# Altium PCB PCB.PcbDoc (continued)
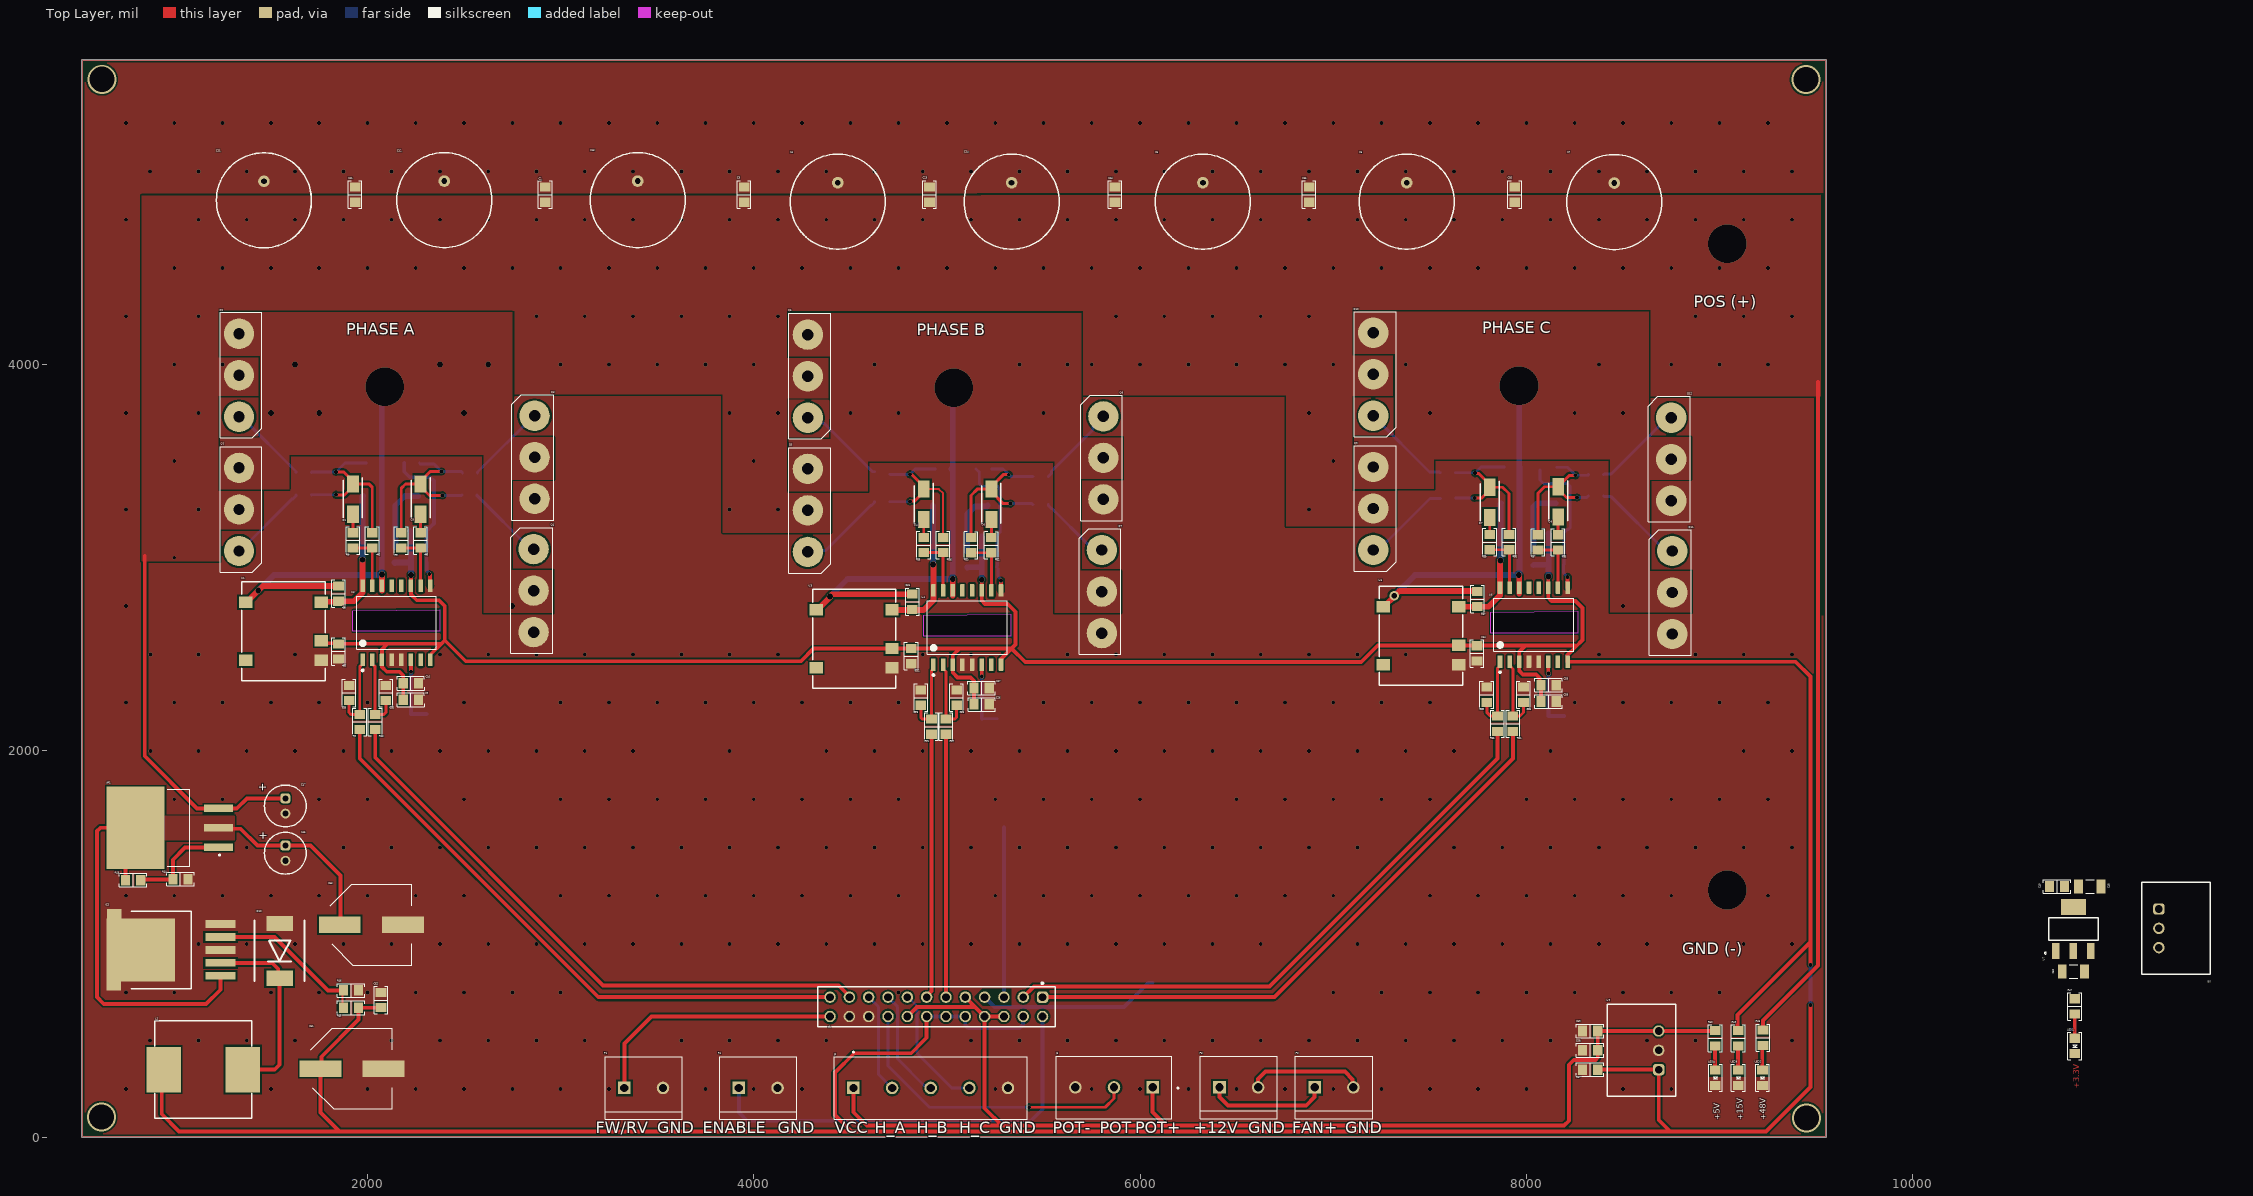
[diagram p0: Top Layer view]
## Part data
C1 C22 C34: library part CAP_0805, "1-3.3 uF polyster film cap"
C2 C3 C9 C17 C18 C21 C23 C24 C26 C30 C31 C35 C36 C38 C42 C43: library part CAP_0805, "MLCC"
C4 C5 C6 C7 C11 C12 C13 C14: library part "220uF 100V Cap"
C8 C16 C25 C29 C37 C41 C49 C52 C54 C55 C56 C57 C58 C59: library part CAP_0805
C10 C19 C27 C32 C39 C44: library part CAP_0805, "tantalum or electrolytic"
C15 C20 C28 C33 C40 C45: library part CAP_0805, "MLCC 10-100 pF"
C46 C47: library part 860020772010, "WCAP-ATG5 Aluminum Electrolytic Capacitor, Radial, THT, D5 x H11mm, 10µF, 63V", Capacitance Tolerance=+/-20%, Leakage Current=6.3µA, manufacturer="Wurth Elektronik", Operating Temperature Max=105°C, Operating Temperature Min=-40°C, Rated Voltage (DC)=63V, Ripple Current=42mA, Capacitance="1µF 200V", Category="Aluminum Electrolytic Capacitors", componentlink1description="Website Link", componentlink1url=https://www.we-online.com/redexpert/article/860020772010?ad, componentlink2description="Datasheet Link", componentlink2url=https://www.we-online.com/redexpert/spec/860020772010?ad, Diameter=5mm, Dissipation Factor=9%, Endurance=2000h, Height=11mm, Manufacturer Part Number=860020772010, Match Code=WCAP-ATG5, Mount="Through Hole", packaging="Ammo Pack", Technical Reference=ATDC110100M063DSPA3B000
C48 C50: library part C1206C105K5RACTU, "1206 Tantalum 10 uF 16V", Package="3216 KEMET", Digi-Key_Part_Number=399-8147-1-ND, Digi-Key_Purchase_URL=https://www.digikey.com/product-detail/en/kemet/C1206C105K5RACTU/399-8147-1-ND/3471870?utm_source=snapeda&utm_medium=aggregator&utm_campaign=symbol, MF=KEMET, MP=C1206C105K5RACTU, SnapEDA_Link=https://www.snapeda.com/parts/C1206C105K5RACTU/KEMET/view-part/357507/?ref=snap
C51 C53: library part CK1H221M-CRG10, "Capacitor Polarised", Manufacturer_Name=SEMTECH, Datasheet Link=https://datasheet.lcsc.com/szlcsc/1810281207_ST-Semtech-CK1H221M-CRG10_C131159.pdf, Height=10.6mm, Manufacturer_Part_Number=CK1H221M-CRG10
D1 D3 D4 D6 D7 D9: "M7-DC - DIODE STAND. Single 1A 1000V SMT DO214AC (SMA)", Package="DO214AC (SMA)", componentlink1description=Datasheet, componentlink1url=https://cdn.ozdisan.com/ETicaret_Dosya/339012_7315810.pdf, componentlink2description=Özdisan, componentlink2url=https://ozdisan.com/guc-yari-iletkenleri/diyotlar-modul-diyotlar-ve-dogrultucular/genel-amacli-diyotlar/M7-DC, PartNumber=M7
D2 D5 D8 D10: library part SS36-214AB-HT, "Schottky Diode", componentlink1description=Özdisan, componentlink1url=https://ozdisan.com/guc-yari-iletkenleri/diyotlar-modul-diyotlar-ve-dogrultucular/schottky-diyotlar/SS36-214AB-HT/475999, componentlink2description=Datasheet, componentlink2url=https://cdn.ozdisan.com/ETicaret_Dosya/475999_7494647.pdf
  D2 D5 D8: PartNumber=SS36-HT
  D10: PartNumber=SK54-HT
IC1: "Integrated Circuit", Arrow Part Number=LM2596S-12, Manufacturer_Name="Texas Instruments", Mouser Part Number=926-LM2596S-12, Arrow Price/Stock=https://www.arrow.com/en/products/lm2596s-12/texas-instruments, Datasheet Link=http://www.ti.com/lit/ds/symlink/lm2596.pdf, Mouser Price/Stock=https://www.mouser.co.uk/ProductDetail/Texas-Instruments/LM2596S-12?qs=X1J7HmVL2ZEK1FPBBSYJCA%3D%3D, PartValue=LM2596HV
J1: "WR-PHD Socket Header, THT, Vertical, pitch 2.54mm, 2 Row, 24P", Contact Resistance=20mOhm, manufacturer="Wurth Elektronik", Operating Temperature Max=125°C, Operating Temperature Min=-40°C, Rated Current=3A, Withstanding Voltage=500V, Working Voltage=250V, Category="Board-to-Board Connectors", componentlink1description="Website Link", componentlink1url=https://www.we-online.com/redexpert/article/61302421821?ad, componentlink2description="Datasheet Link", componentlink2url=https://www.we-online.com/redexpert/spec/61302421821?ad, Gender="Socket Header", Manufacturer Part Number=61302421821, Match Code=WR-PHD, Mount="Through Hole", Number of Pins=24, Number of Rows=2, Orientation=Vertical, packaging=Tray, Pitch=2.54mm
J2: library part 282837-5, "TERMI-BLOK PCB MOUNT 5P", Package=None, Availability=Unavailable, EU_RoHS_Compliance="Compliant with Exemptions", MF="TE Connectivity", MP=282837-5, price=None, SnapEDA_Link=https://www.snapeda.com/parts/282837-5/TE%20Connectivity%20AMP%20Connectors/view-part/532953/?ref=snap, TE_purchase_URL=https://www.te.com/usa-en/product-282837-5.html?te_bu=Cor&te_type=disp&te_campaign=seda_glo_cor-seda-global-disp-prtnr-fy19-seda-model-bom-cta_sma-317_1&elqCampaignId=32493
J3: library part 282837-3, "TERMI-BLOK PCB MOUNT 3P", Package=None, Availability=Unavailable, MP=282837-3, price=None
L1: library part Inductor, "FIXED IND 47UH 2.9A 80 MOHM SMD"
LED1 LED2 LED3 LED4: library part LED, "0805"
P1 P2 P3 P4: library part 282837-2, "Ð Ð°Ð·ÑŠÐµÐ¼Ð½Ñ‹Ðµ ÐºÐ»ÐµÐ¼Ð¼Ð½Ñ‹Ðµ ÐºÐ¾Ð»Ð¾Ð´ÐºÐ¸ Ð Ð¾Ð·ÐµÑ‚ÐºÐ° 2 Ð¿Ð¾Ð»Ð¾Ð¶ÐµÐ½Ð¸Ñ 5,08 Ð¼Ð¼ ÐŸÑ€Ð¸Ð¿Ð¾Ð¹ Ð¿Ñ€ÑÐ¼Ð¾Ð¹ Ñ‡ÐµÑ€ÐµÐ· Ð¾Ñ‚Ð²ÐµÑ€ÑÑ‚Ð¸Ðµ 13,5 Ð / ÐºÐ¾Ð½Ñ‚Ð°ÐºÑ‚", Package=None, Availability="In Stock", Check_prices=https://www.snapeda.com/parts/282837-2/TE+Connectivity+AMP+Connectors/view-part/?ref=eda, MF="TE Connectivity", MP=282837-2, price=None, Purchase-URL=https://pricing.snapeda.com/search/part/282837-2/?ref=eda, SnapEDA_Link=https://www.snapeda.com/parts/282837-2/TE+Connectivity+AMP+Connectors/view-part/?ref=snap
Q1 Q2 Q3 Q4 Q5 Q6 Q7 Q8 Q9 Q10 Q11 Q12: "IRFP4310ZPBF - MOSFET DIS.120A 100V N-CH TO247AC HEXFET THT", Current Rate=120A, Voltage Rate=100V, componentlink1description=Özdisan, componentlink1url=https://ozdisan.com/Product/Detail/480417/IRFP4310ZPBF, componentlink2description=Datasheet, componentlink2url=https://cdn.ozdisan.com/ETicaret_Dosya/480417_1248700.pdf, PartValue=IRFP4310ZPbF
R1 R2 R3 R4 R6 R8 R9 R10 R11 R12 R14 R15 R16 R17 R18 R20 R22 R23 R24 R25 R26 R28 R29 R30 R31 R32 R34 R35 R37 R38 R39 R40 R42 R43 R44 R45 R46 R47 R48 R49 R50: library part RES_0805, "0805", Power="1/8 W"
R5 R19 R33: library part RES_0805, "0805                                                      1-20 ohms", Power="1/8 W"
R7 R13 R21 R27 R36 R41: library part RES_0805, "0805 0-100 OHMS", Power="1/8 W"
R51 R54 R55: library part Shunt, "3920"
U1 U3 U5: library part 176861512, "WPME-FISM Fixed Isolated Module, SMT-8, 5Vin, 15Vout", Case/Size Code=SMT-8, Input Voltage=5V, Input Voltage Max=5.5V, Input Voltage Min=4.5V, Isolation Voltage=2000V, manufacturer="Wurth Elektronik", Operating Temperature Max=100°C, Operating Temperature Min=-40°C, Output Power=1W, Output Voltage=15V, Category="Isolated Converter", componentlink1description="Website Link", componentlink1url=https://www.we-online.com/redexpert/article/176861512?ad, componentlink2description="Datasheet Link", componentlink2url=https://www.we-online.com/redexpert/spec/176861512?ad, Height=6.95mm, Length=12.75mm, Manufacturer Part Number=176861512, Match Code=WPME-FISM, Mount="Surface Mount", packaging="Tape and Reel", Width=10.7mm
U2 U4 U6: library part UCC21520
U7: "Linear Voltage Regulator IC Positive Fixed 1 Output 800mA SOT-223", Package="TO-261-4 STMicroelectronics", Availability="In Stock", Check_prices=https://www.snapeda.com/parts/LD1117S33TR/STMicroelectronics/view-part/?ref=eda, MF=STMicroelectronics, MP=LD1117S33TR, price=None, Purchase-URL=https://pricing.snapeda.com/search/part/LD1117S33TR/?ref=eda, SnapEDA_Link=https://www.snapeda.com/parts/LD1117S33TR/STMicroelectronics/view-part/?ref=snap
U8 U9: library part 173010378, "WPME-FDSM Fixed Step Down Regulator Module, THT, SIP-3, 7-28Vin, 3.3Vout, 1Aout", Case/Size Code=SIP-3, Input Voltage Max=28V, Input Voltage Min=7V, manufacturer="Wurth Elektronik", Operating Temperature Max=85°C, Operating Temperature Min=-40°C, Output Current=1A, Output Voltage=3.3V, Category="Step Down Converter", componentlink1description="Website Link", componentlink1url=https://www.we-online.com/redexpert/article/173010378?ad, componentlink2description="Datasheet Link", componentlink2url=https://www.we-online.com/redexpert/spec/173010378?ad, Height=10.5mm, Length=11.6mm, Manufacturer Part Number=173010378, Match Code=WPME-FDSM, Mount="Through Hole", packaging=Tube, Width=8.5mm
VR1: library part TL783/SMD

## Via types
v1: diameter 20, hole 20, Top Layer to Bottom Layer, tented both sides, 476 vias
v2: diameter 20, hole 20, Top Layer to Bottom Layer, 21 vias
v3: diameter 30, hole 30, Top Layer to Bottom Layer, 11 vias
v4: diameter 30, hole 30, Top Layer to Bottom Layer, tented both sides, 7 vias
v5: diameter 200, hole 200, Top Layer to Bottom Layer, 5 vias
v6: diameter 150, hole 130, Top Layer to Bottom Layer, tented both sides, 4 vias
v7: diameter 50, hole 28, Top Layer to Bottom Layer, 1 vias

## Nets (pads, with @x,y where several pads share a name; then routed paths per layer and width w, separated by ;. In a path a pad name is that pad's centre, name@x,y a point inside that pad or via, vN(x,y) a via of type N, cw(c..) or ccw(c..) an arc to the next point about the centre after c; other vN are vias at no path point)
+3.3V: C48.1 C49.2 C55.2 C56.2 R47.2 U7.2 U7.4 U8.3
+5V: C50.1 C54.2 C58.2 C59.2 J1.6 J1.8 J1.9 J1.16 J2.1 J3.1 R50.2 U7.3 U8.1 U9.3 | length 6533.9
  Top Layer w20: J2.1 4516,129 4585,60 5285,60 ; J1.16 4844.53,674.53 5145.47,674.53 ; J1.9@5095,720 5100,720 5145.47,674.53 ; J1.6 J1.8 ; J3.1 6065,130 6135,60 ; C59.2@8369.37,544.37 8369.37,411.72 8357.65,400 8245,400 8220,375 8220,85 8195,60 6135,60 ; C59.2@8370,550 8635,550 U9.3 ; 8655.12,549.88 8960.54,549.88 R50.2 ; 5145.47,674.53 J1.8 ; J1.8 5195,150 5285,60 ; 5285,60 6135,60
+12V: P2.1 P3.1 | length 627.5
  Top Layer w20: P3.1 6411,209 6455,165 6860,165 6902.24,207.24 6902.24,256.24 P2.1
+45V: C46.1 C53.1 IC1.1 R43.1 VR1.2 VR1.4 | length 3103.5
  Top Layer w20: R43.1@747,1329.65 747,1549 VR1.4 617,1602 600,1585 600,725 635,690 1165,690 1238.72,763.72 1238.72,835.45 IC1.1 ; VR1.2@1229,1597 1343,1597 1430,1510 C46.1 1705,1510 1860,1355 C53.1@1860,1100
+48V: C2.2 C3.2 C21.2 C23.2 C24.2 C35.2 C36.2 C47.1 Q1.2 Q2.2 Q5.2 Q6.2 Q9.2 Q10.2 R48.2 VR1.3 | length 5373.7
  Top Layer w20: 847,3010.52 847,1973 1118,1702 VR1.3 1323,1702 1375.37,1754.37 C47.1 ; R48.2 9225,605 9509,889 9509,3911
  other v1: 1000,3000 1125,3250 3875,3250 4125,3250 6875,3250 1000,3500 4000,3500 7000,3500 1125,3750 3875,3750 4125,3750 6875,3750 1000,4000 1250,4000 3000,4000 3250,4000 3500,4000 3750,4000 4000,4000 5750,4000 6000,4000 6250,4000 6500,4000 6750,4000 7000,4000 8750,4000 9000,4000 9250,4000 1125,4250 2875,4250 3125,4250 3375,4250 3625,4250 3875,4250 4125,4250 5875,4250 6125,4250 6375,4250 6625,4250 6875,4250 8875,4250 9125,4250 9375,4250 1000,4500 1250,4500 1500,4500 1750,4500 2000,4500 2250,4500 2500,4500 2750,4500 3000,4500 3250,4500 3500,4500 3750,4500 4000,4500 4250,4500 4500,4500 4750,4500 5000,4500 5250,4500 5500,4500 5750,4500 6000,4500 6250,4500 6500,4500 6750,4500 7000,4500 7250,4500 7500,4500 7750,4500 8000,4500 8250,4500 8500,4500 8750,4500 9000,4500 9250,4500 1125,4750 1375,4750 1625,4750 1875,4750 2125,4750 2375,4750 2625,4750 2875,4750 3125,4750 3375,4750 3625,4750 3875,4750 4125,4750 4375,4750 4625,4750 4875,4750 5125,4750 5375,4750 5625,4750 5875,4750 6125,4750 6375,4750 6625,4750 6875,4750 7125,4750 7375,4750 7625,4750 7875,4750 8125,4750 8375,4750 8625,4750 8875,4750 9125,4750 9375,4750
  other v5: 9040,4625
\: C1.1 C9.2 C10.2 C17.2 C18.2 C19.2 C22.1 C26.2 C27.2 C30.2 C31.2 C32.2 C34.1 C38.2 C39.2 C42.2 C43.2 C44.2 C51.1 C52.2 C57.2 J1.4 J1.10 J1.12 J1.14 L1.2 R5.1 R19.1 R33.1 R45.1 R49.2 U1.2 U2.3 U2.8 U2.11 U3.2 U4.3 U4.8 U4.11 U5.2 U6.3 U6.8 U6.11 U9.1 | length 26606
  Top Layer w20: L1.2@935,345 935,120 1025,30 1855,30 ; C51.1@1755,360 1761.59,366.59 1761.59,416.59 1954.37,609.37 R45.1 C52.2@2069.37,670 ; C51.1 1756.61,128.39 1855,30 ; U1.2 1773.79,2557.08 1852.92,2557.08 1855,2555 2105,2555 ; C9.2 C10.2 2185,2390 2165,2410 2100,2410 2075,2435 U2.3 2075,2525 2105,2555 ; v3(2225.63,2910.28) 2225.63,2914.37 2225,2915 U2.11 2225,2810 2255,2780 2370,2780 2400,2750 2400,2572.57 ; U2.8 2325,2497.57 2382.43,2555 ; J1.14 4895,515 4815,435 4520,435 4420,335 4420,115 4505,30 ; C26.2 5140.31,2240.94 5140.31,2325.32 C27.2 5140,2363.06 5122.43,2380.63 5055,2380.63 5030,2405.63 U4.3 5030,2495.42 5065.21,2530.63 ; v3(5180,2885.91) U4.11 5180,2778.2 5197.57,2760.63 5315,2760.63 5355,2720.63 5355,2550.63 5335,2530.63 ; U4.8 5280,2475.63 5335,2530.63 ; C38.2 8075.63,2330.63 8068.24,2338.02 8068.24,2378.06 8050.66,2395.63 7980.88,2395.63 7963.31,2413.2 U6.3 7963.31,2513.94 7995,2545.63 ; v3(8114,2903) 8113.31,2902.31 U6.11 8113.31,2793.2 8130.88,2775.63 8255,2775.63 8290,2740.63 8290,2573.2 8255.71,2538.92 ; C57.2 U9.1 8685,90 8745,30 ; 9093.72,633.72 9093.72,565.36 R49.2 ; 9098.32,638.32 9470,1010 ; v2(9470,685) 9470,260 9240,30 8745,30 ; v2(9470,892.43) 9470,1010 ; 1855,30 4505,30 ; 2105,2555 2382.43,2555 ; 2382.43,2555 2400,2572.57 ; 2400,2572.57 2508.57,2464 4244,2464 4310,2530 U3.2 4814.37,2530 4815,2530.63 5065.21,2530.63 ; 4505,30 8745,30 ; 5065.21,2530.63 5335,2530.63 ; 5335,2530.63 5405.63,2460 7145,2460 7230.69,2545.69 7745.2,2545.69 7745.26,2545.63 7995,2545.63 ; 7995,2545.63 8249,2545.63 8255.71,2538.92 ; 8255.71,2538.92 8213.31,2496.51 U6.8 9393.23,2461.77 9470,2385 9470,1010
  Bottom Layer w20: J1.14 J1.12 J1.10@5090,625 ; J1.10 5095,580 5110,565 5375,565 5392.91,582.91 5392.91,622.91 J1.4 ; v2(9470,685) v2(9470,892.43)
  Bottom Layer w30: R5.1@2140,2975.63 R5.1@2143.13,2972.5 ; R5.1 2217.01,2975.63 2220.63,2972.01 2220.63,2970 C17.2 ; C18.2@2223.13,3138.13 C18.2 C19.2 2225.94,3054.69 2225.94,2975.32 C17.2 ; v3(2225.63,2910.28) C17.2 ; R19.1 5105.31,2950.32 5179.69,2950.32 C30.2 ; v3(5180,2885.91) C30.2 ; C32.2 C31.2 C30.2 ; R33.1 8039,2963.63 8113.63,2963.63 C44.2 ; v3(8114,2903) 8115,2904 8115,2953.07 8115.63,2953.7 C44.2 ; C43.2 8115.31,3125.03 8115.31,3045.66 C42.2 C44.2
AH: R1.1 R2.1 U2.15 | length 295.6
  Top Layer w15: R1.1 R2.1 U2.15
AL: R8.1 R9.1 U2.10 | length 295.6
  Top Layer w15: R9.1 R8.1 U2.10
BH: R15.1 R16.1 U4.15 | length 295.6
  Top Layer w15: R15.1 R16.1 U4.15
BL: R22.1 R23.1 U4.10 | length 300
  Top Layer w15: R23.1 R22.1 U4.10
CH: R29.1 R30.1 U6.15 | length 297
  Top Layer w15: R29.1 R30.1 7913.31,3037.95 U6.15
CL: R35.1 R37.1 U6.10 | length 297.9
  Top Layer w15: R37.1 8162.61,3040.63 8163.31,3039.94 U6.10
ENABLE: J1.2 P4.1 | length 2222.2
  Bottom Layer w20: P4.1 3923,127 3965,85 5435,85 5495,145 J1.2
FW/RV: J1.24 P1.1 | length 1353
  Top Layer w20: P1.1 3330,485 3470,625 J1.24
GND: C1.2 C2.1 C3.1 C4.2 C5.2 C6.2 C7.2 C9.1 C10.1 C11.2 C12.2 C13.2 C14.2 C15.1 C16.1 C17.1 C18.1 C19.1 C20.1 C21.1 C22.2 C23.1 C24.1 C26.1 C27.1 C28.1 C29.1 C30.1 C31.1 C32.1 C33.1 C34.2 C35.1 C36.1 C38.1 C39.1 C40.1 C41.1 C42.1 C43.1 C44.1 C45.1 C46.2 C47.2 C48.2 C49.1 C50.2 C51.2 C52.1 C53.2 C54.1 C55.1 C56.1 C57.1 C58.1 C59.1 D10.1 IC1.3 IC1.5 J1.5 J1.7 J1.20 J1.22 J2.5 J3.3 LED1.2 LED2.2 LED3.2 LED4.2 P1.2 P2.2 P3.2 P4.2 Q3.3 Q4.3 Q7.3 Q8.3 Q11.3 Q12.3 R12.1 R14.1 R26.1 R28.1 R40.1 R42.1 R44.2 R46.2 R51.1 R51.2 R54.1 R54.2 R55.1 R55.2 U1.1 U2.4 U2.5 U2.9 U3.1 U4.4 U4.5 U4.9 U5.1 U6.4 U6.5 U6.9 U7.1 U8.2 U9.2 | length 4701.7
  Top Layer w10: v2(5279,2883) v2@5279.5,2882.5 ; U4.9@5279.5,2831.13 U4.9 ; v2(8213,2901) v2@8213.15,2900.85 ; U6.9@8213.15,2845.78 U6.9
  Top Layer w20: v2(2320,2915) 2323.19,2911.81 2323.19,2856.81 U2.9 ; U4.9@5279.5,2831.13 v2@5279.5,2882.5 ; P3.2 6611,301 6650,340 7060,340 7100.38,299.62 7100.38,261.62 P2.2 ; U6.9@8213.15,2845.78 v2@8213.15,2900.85
  Bottom Layer w15: R26.1 5167.36,3443.88 5167.36,3383.64 5181,3370 5260,3370 5275,3355 5275,3139.19 5274.86,3139.05 5274.86,3130.4 5260.8,3116.34 C32.1@5259.74,3116.34 ; C30.1 5265,2944.37 5265,2904.71 5278.04,2891.66 5278.04,2885.31 5278.22,2885.13 v2@5280.13,2885.13 ; C30.1@5259.74,2956.63 5261,2957.89 C31.1@5261,3026 ; C31.1@5259.74,3036.34 C32.1@5259.74,3114.74 ; R40.1@8071,3455 8071,3403 8089,3385 8211,3385 8227,3369 8227,3156.69 8215.71,3145.4 8209.86,3145.4 8193.74,3129.28 C43.1 ; C44.1@8192,2965.63 8192,2922 v2(8213,2901) ; C44.1 C42.1@8194.37,3041.63 ; C42.1 C43.1@8194.37,3124.37
  Bottom Layer w20: R12.1 2190.63,3445.37 2219,3417 2325,3417 2344,3398 2344,3177.86 2338.14,3172 2338.06,3172 2305,3138.94 C18.1 ; C17.1 2304.37,3054.37 C19.1 C18.1@2305,3129 ; C17.1@2306,2975 2306,2935.34 2320,2921.34 v2(2320,2915) ; J1.7 5245.47,674.53 5917.53,674.53 6043,800 6065,800 ; J1.5 5295,1605
  other v1: 750,250 1500,250 2000,250 2250,250 2500,250 2750,250 3000,250 3250,250 3750,250 4000,250 4250,250 5250,250 5750,250 6000,250 6250,250 6500,250 6750,250 7000,250 7250,250 7500,250 7750,250 8000,250 8500,250 8750,250 875,500 1125,500 1375,500 1625,500 2125,500 2375,500 2625,500 2875,500 3125,500 3625,500 3875,500 4125,500 4375,500 5125,500 5375,500 5625,500 5875,500 6125,500 6375,500 6625,500 6875,500 7125,500 7375,500 7625,500 7875,500 8125,500 8625,500 8875,500 9375,500 750,750 1000,750 1500,750 1750,750 2000,750 2250,750 2500,750 2750,750 3000,750 4750,750 7000,750 7250,750 7500,750 7750,750 8000,750 8250,750 8500,750 8750,750 9000,750 1125,1000 1375,1000 1625,1000 1875,1000 2125,1000 2375,1000 2625,1000 2875,1000 3125,1000 3375,1000 3625,1000 3875,1000 4125,1000 4375,1000 4625,1000 4875,1000 5125,1000 5375,1000 5625,1000 5875,1000 6125,1000 6375,1000 6625,1000 7125,1000 7375,1000 7625,1000 7875,1000 8125,1000 8375,1000 8625,1000 8875,1000 9125,1000 9375,1000 750,1250 1000,1250 1250,1250 1500,1250 1750,1250 2000,1250 2250,1250 2500,1250 3000,1250 3250,1250 3500,1250 3750,1250 4000,1250 4250,1250 4500,1250 4750,1250 5250,1250 5500,1250 5750,1250 6000,1250 6250,1250 6500,1250 6750,1250 7000,1250 7500,1250 7750,1250 8000,1250 8250,1250 8500,1250 8750,1250 9250,1250 1375,1500 1875,1500 2125,1500 2375,1500 2625,1500 2875,1500 3125,1500 3375,1500 3625,1500 3875,1500 4125,1500 4375,1500 4625,1500 4875,1500 5125,1500 5375,1500 5625,1500 5875,1500 6125,1500 6375,1500 6625,1500 6875,1500 7125,1500 7625,1500 7875,1500 8125,1500 8375,1500 8625,1500 8875,1500 9125,1500 9375,1500 1000,1750 1250,1750 1750,1750 2000,1750 2500,1750 3000,1750 3250,1750 3500,1750 3750,1750 4000,1750 4250,1750 4500,1750 4750,1750 5250,1750 5500,1750 5750,1750 6000,1750 6500,1750 6750,1750 7000,1750 7250,1750 7500,1750 8000,1750 8250,1750 8500,1750 8750,1750 9000,1750 9250,1750 877,2000 1125,2000 1375,2000 1625,2000 1875,2000 2125,2000 2375,2000 2625,2000 2875,2000 3125,2000 3375,2000 3875,2000 4375,2000 4625,2000 4875,2000 5125,2000 5375,2000 5625,2000 5875,2000 6125,2000 6375,2000 6625,2000 6875,2000 7125,2000 7375,2000 7625,2000 8125,2000 9125,2000 9375,2000 750,2250 1000,2250 1250,2250 1500,2250 1750,2250 2000,2250 2500,2250 3000,2250 3250,2250 3500,2250 3750,2250 4000,2250 4250,2250 4500,2250 4750,2250 5500,2250 5750,2250 6000,2250 6250,2250 6500,2250 6750,2250 7000,2250 7250,2250 7500,2250 8250,2250 8500,2250 8750,2250 9000,2250 9250,2250 877,2500 1125,2500 1625,2500 2375,2500 2625,2500 2875,2500 3125,2500 3375,2500 3625,2500 3875,2500 4125,2500 4875,2500 5125,2500 5625,2500 5875,2500 6125,2500 6375,2500 6625,2500 6875,2500 7125,2500 7375,2500 8375,2500 8875,2500 9125,2500 9375,2500 750,2750 750,3250 750,3750 750,4250 750,4750 875,5000 1125,5000 1375,5000 1625,5000 1875,5000 2125,5000 2375,5000 2625,5000 2875,5000 3125,5000 3375,5000 3625,5000 3875,5000 4125,5000 4375,5000 4625,5000 4875,5000 5125,5000 5375,5000 5625,5000 5875,5000 6125,5000 6375,5000 6625,5000 6875,5000 7125,5000 7375,5000 7625,5000 7875,5000 8125,5000 8375,5000 8625,5000 8875,5000 9125,5000 9375,5000 750,5250 1000,5250 1250,5250 1500,5250 1750,5250 2000,5250 2250,5250 2500,5250 2750,5250 3000,5250 3250,5250 3500,5250 3750,5250 4000,5250 4250,5250 4500,5250 4750,5250 5000,5250 5250,5250 5500,5250 5750,5250 6000,5250 6250,5250 6500,5250 6750,5250 7000,5250 7250,5250 7500,5250 7750,5250 8000,5250 8250,5250 8500,5250 8750,5250 9000,5250 9250,5250
  other v5: 9040,1280
H_A: J1.15 J2.4 | length 659.7
  Bottom Layer w15: J1.15 4807.5,712.5 4808.11,713.11 4811.89,713.11 4845,680 4845,435 5025,255 J2.4
H_B: J1.17 J2.3 | length 573.8
  Bottom Layer w15: J1.17 4745,675 4745,405 4884.48,265.52 4905.48,265.52 J2.3
H_C: J1.19 J2.2 | length 520.1
  Bottom Layer w15: J1.19 4645,675 4645,326 J2.2
IN_AH: C15.2 R7.2 U2.1 | length 409.1
  Top Layer w15: C15.2 1905,2198.16 1913.79,2189.37 R7.2 1960,2435.47 1975,2450.47 U2.1
IN_AL: C20.2 R13.2 U2.2 | length 409.1
  Top Layer w15: U2.2 2025,2450.47 2040,2435.47 R13.2 2086.21,2189.37 2095,2198.16 C20.2
IN_BH: C28.2 R21.2 U4.1 | length 408.7
  Top Layer w15: C28.2 4865,2170.86 4870.86,2165 R21.2 4920,2416.1 4930,2426.1 U4.1
IN_BL: C33.2 R27.2 U4.2 | length 409.1
  Top Layer w15: U4.2 4980,2426.1 4995,2411.1 R27.2 5041.21,2165 5050,2173.79 C33.2
IN_CH: C40.2 R36.2 U6.1 | length 401.9
  Top Layer w15: C40.2 7795,2199.9 7813.3,2181.6 7848.4,2181.6 R36.2 7850,2427.8 7863.31,2441.1 U6.1
IN_CL: C45.2 R41.2 U6.2 | length 403.5
  Top Layer w15: U6.2 7913.31,2441.1 7930,2424.41 R41.2 7931.21,2181.21 7966.7,2181.21 7985,2199.51 C45.2
NetC8_2: C8.2 D2.2 U1.4 U2.16 | length 735.9
  Top Layer w30: U1.4 1763.37,2772.5 1847.22,2772.5 C8.2 ; C8.2@1850,2775 1930,2775 1975,2820 U2.16 v3(1975,2990)
  Bottom Layer w30: v3(1975,2990) 1975,3316.73 D2.2
NetC16_2: C16.2 R14.2 U2.6 | length 370.3
  Top Layer w15: U2.6 U2.6@2225,2480
  Top Layer w20: v2(2225,2410) U2.6
  Bottom Layer w20: v2(2225,2410) C16.2 2225.32,2190.32 2304.69,2190.32 R14.2
NetC17_1: 
NetC25_2: C25.2 D5.2 U3.4 U4.16 | length 736.5
  Top Layer w30: U3.4@4705.31,2729.69 4819.69,2729.69 4820,2729.37 4879.37,2729.37 4930,2780 U4.16 v3@4930,2965.63
  Bottom Layer w30: D5.2 4928.27,3268.27 v3(4928.27,2965.63)
NetC29_2: C29.2 R28.2 U4.6 | length 362.7
  Top Layer w20: v2(5180,2385.63) U4.6
  Bottom Layer w15: C29.2 5183.94,2165.63 C29.2@5184.57,2166.26 ; C29.2@5180,2170.83 C29.2@5184.57,2166.26 ; R28.2 C29.2@5184.57,2166.26
  Bottom Layer w20: C29.2@5180,2170.83 v2(5180,2385.63)
NetC37_2: C37.2 D8.2 U5.4 U6.16 | length 715.9
  Top Layer w30: U5.4 7650.19,2746.82 7745.81,2746.82 C37.2 7803.63,2746.63 7863.31,2806.31 U6.16 7863.31,2983.94 v3@7865,2985.63
  Bottom Layer w30: v3(7865.27,2985.63) 7865.27,3278.73 D8.2
NetC41_2: C41.2 R42.2 U6.6 | length 361.8
  Top Layer w20: U6.6 8113.31,2402.32 v2(8115,2400.63)
  Bottom Layer w20: v2(8115,2400.63) C41.2 R42.2
NetC42_1: 
NetD1_1: D1.1 R2.2 R3.1 R4.1 R6.2 | length 1016.1
  Top Layer w15: v2(1837,3444) 1837.26,3444.26 1877,3444.26 1925,3396.26 D1.1 ; v2(1838,3326) 1839.35,3326 1840.88,3324.48 1880.78,3324.48 1926.71,3370.41 1926.71,3380.78 2009.22,3380.78 2025,3365 R2.2
  Bottom Layer w15: R4.1 1711.37,3444 v2(1837,3444) 1883,3490 R6.2 ; R3.1 1710.4,3326 v2(1838,3326)
NetD1_2: D1.2 R1.2 | length 95.6
  Top Layer w15: R1.2 D1.2
NetD2_1: D2.1 R5.2 | length 353.1
  Bottom Layer w30: R5.2 2145,3270 2194.94,3319.94 2261.67,3319.94 D2.1
NetD3_1: D3.1 R9.2 R10.1 R11.1 R12.2 | length 971.7
  Top Layer w15: R9.2 2175,3360 2197.48,3382.48 D3.1 ; v2(2383,3446) 2324.74,3446 2275,3396.26 D3.1 ; v2(2388,3323) 2320.7,3323 2275,3368.7 D3.1
  Bottom Layer w15: R12.2 2273.08,3486.29 2342.71,3486.29 v2(2383,3446) ; v2@2384.35,3446 2485.32,3446 R10.1 ; v2(2388,3323) 2487.52,3323 R11.1
NetD3_2: D3.2 R8.2 | length 95.6
  Top Layer w15: R8.2 D3.2
NetD4_1: D4.1 R16.2 R17.1 R18.1 R20.2 | length 908.4
  Top Layer w10: D4.1@4880,3341.22 D4.1 4958,3355 4980,3333 R16.2
  Top Layer w15: v2(4808,3432) 4808.96,3431.04 4817.74,3431.04 4880,3368.78 D4.1 ; v2(4809,3292) 4809.96,3292.96 4831.74,3292.96 D4.1@4880,3341.22
  Bottom Layer w15: R17.1 4805.65,3290 4807.65,3292 v2(4809,3292) ; R18.1 4706.37,3432 v2(4808,3432) 4836,3460 R20.2@4940.63,3460
NetD4_2: D4.2 R15.2 | length 92.5
  Top Layer w15: R15.2 D4.2
NetD5_1: D5.1 R19.2 | length 321.6
  Bottom Layer w30: R19.2 5105,3225 5144.94,3264.94 5206.67,3264.94 D5.1@5211.73,3270
NetD6_1: D6.1 R23.2 R24.1 R25.1 R26.2 | length 955.2
  Top Layer w15: R23.2 5125,3323 5157,3355 D6.1 ; v2(5320,3430) 5291.22,3430 5230,3368.78 D6.1 ; v2(5330,3280) 5291.22,3280 5230,3341.22 D6.1
  Bottom Layer w15: R26.2 5290,3460 v2(5320,3430) 5321.35,3430 5331.35,3420 R25.1 ; v2(5330,3280) 5440.32,3280 R24.1
NetD6_2: D6.2 R22.2 | length 93.1
  Top Layer w15: R22.2 D6.2
NetD7_1: D7.1 R30.2 R31.1 R32.1 R34.2 | length 913.8
  Top Layer w15: v2(7732,3310) 7768.78,3310 7810,3351.22 D7.1 ; v2(7734,3438) 7734.96,3437.04 7751.74,3437.04 7810,3378.78 D7.1 ; R30.2 7910,3332 7877,3365 D7.1
  Bottom Layer w15: R32.1 7730.65,3440 7732.65,3438 v2(7734,3438) 7766,3470 R34.2 ; R31.1 v2(7732,3310)
NetD7_2: D7.2 R29.2 | length 87.5
  Top Layer w15: R29.2 D7.2
NetD8_1: D8.1 R33.2 | length 346.1
  Bottom Layer w30: R33.2 8037,3264.43 8054.57,3282 D8.1@8151.73,3282
NetD9_1: D9.1 R37.2 R38.1 R39.1 R40.2 | length 817.7
  Top Layer w15: R37.2 8060,3334 8093.74,3367.74 D9.1 ; v2(8254,3427) 8253.47,3426.47 8221.5,3426.47 8190.51,3395.48 D9.1 ; v2(8261,3312) 8260.91,3311.91 8207.05,3311.91 8165,3353.96 D9.1
  Bottom Layer w15: R40.2@8159.37,3468.59 8212.41,3468.59 v2(8254,3427) 8317.6,3427 R39.1 ; v2(8261,3312) 8312.6,3312 R38.1
NetD9_2: D9.2 R35.2 | length 91.3
  Top Layer w15: R35.2 8164.5,3119.87 8164.5,3209.76 D9.2
NetD10_2: D10.2 IC1.2 L1.1 | length 1012.2
  Top Layer w20: IC1.2 1507.33,902.67 1538.22,871.78 1538.22,830.05 D10.2 1545,375 1520,350 L1.1
NetIC1_4: IC1.4 R45.2 R46.1 | length 842.9
  Top Layer w10: R45.2@1870,665 1870,754.37 R46.1
  Top Layer w20: IC1.4 1518.47,1036.53 1795,760 R46.1@1870,760
NetJ1_1: J1.1 R41.1 | length 3087.8
  Top Layer w20: J1.1 6695,725 7930,1960 R41.1
NetJ1_3: J1.3 R36.1 | length 3107.8
  Top Layer w20: J1.3 5450,780 6670,780 7850,1960 R36.1
NetJ1_11: J1.11 R27.1 | length 1363.3
  Top Layer w20: R27.1 4995,730 J1.11@5000,725
NetJ1_13: J1.13 R21.1 | length 1365.4
  Top Layer w20: J1.13 4895,731.24 4920,756.24 R21.1@4920,2080
NetJ1_21: J1.21 R13.1 | length 3107.8
  Top Layer w20: R13.1@2040,2106.26 2040,1965 3220,785 4440,785 J1.21@4495,730
NetJ1_23: J1.23 R7.1 | length 3102.2
  Top Layer w20: R7.1 1960,1960 3195,725 J1.23@4400,725
NetLED1_1: LED1.1 R47.1 | length 120.7
  Top Layer w10: LED1.1@10835,519 LED1.1@10839,523
  Top Layer w20: LED1.1@10839,523 R47.1
NetLED2_1: LED2.1 R48.1 | length 127.7
  Top Layer w20: LED2.1@9220.72,348.62 9220.72,462.01 R48.1
NetLED3_1: LED3.1 R49.1 | length 123.4
  Top Layer w20: LED3.1@9095.91,348.34 R49.1@9095.91,471.72
NetLED4_1: LED4.1 R50.1 | length 123.1
  Top Layer w20: LED4.1@8976.82,348.65 R50.1@8976.82,471.72
NetQ1_1: Q1.1 R3.2 | length 418.1
  Bottom Layer w15: Q1.1 1340.69,3035.04 1610.6,3304.94 1614.53,3304.94 1630.66,3321.06 R3.2
NetQ2_1: Q2.1 R4.2 | length 417.2
  Bottom Layer w15: Q2.1 1346.57,3730 1630.63,3445.94 R4.2
NetQ3_1: Q3.1 R10.2 | length 419.3
  Bottom Layer w15: R10.2 2570.34,3443.65 2861.65,3734.96 Q3.1
NetQ4_1: Q4.1 R11.2 | length 410.2
  Bottom Layer w15: R11.2 2567.97,3320.78 2843.79,3044.96 Q4.1
NetQ5_1: Q5.1 R17.2 | length 455.6
  Bottom Layer w15: Q5.1 4286.82,3036.82 4372.45,3036.82 4605.57,3269.94 4609.51,3269.94 4625.63,3286.06 R17.2
NetQ6_1: Q6.1 R18.2 | length 461.6
  Bottom Layer w15: Q6.1 4307.26,3697.74 4361.83,3697.74 4614.57,3445 R18.2@4625.66,3445
NetQ7_1: Q7.1 R24.2 | length 377.2
  Bottom Layer w15: R24.2 5524.34,3270.78 5540.47,3254.66 5544.4,3254.66 5731.88,3067.18 5774.74,3067.18 Q7.1
NetQ8_1: Q8.1 R25.2 | length 360.5
  Bottom Layer w15: R25.2 5540.49,3436.12 5540.49,3446.35 5755,3660.85 Q8.1@5755,3684.96
NetQ9_1: Q9.1 R31.2 | length 458.9
  Bottom Layer w15: Q9.1 7235.04,3040.04 7501.09,3306.09 R31.2@7555.66,3306.09
NetQ10_1: Q10.1 R32.2 | length 468.8
  Bottom Layer w15: Q10.1 7498.06,3443.94 7549.72,3443.94 R32.2
NetQ11_1: Q11.1 R38.2 | length 473.7
  Bottom Layer w15: R38.2 8403.28,3316.06 8438.94,3316.06 8720.04,3034.96 Q11.1
NetQ12_1: Q12.1 R39.2 | length 472.8
  Bottom Layer w15: R39.2 8403.28,3433.94 8438.94,3433.94 8729.96,3724.96 Q12.1
NetR43_2: R43.2 R44.1 VR1.1 | length 533.1
  Top Layer w20: R43.2@825,1334 992.63,1334 992.63,1436.63 1055.46,1499.46 1225.8,1499.46 VR1.1
POT: J1.18 J3.2 | length 1590.7
  Top Layer w15: v2(5425,155) 5820,155 5865,200 J3.2
  Bottom Layer w15: J1.18 4695,370 4910,155 v2(5425,155)
Sense_P: 
VSS_A: C8.1 Q1.3 Q2.3 Q3.2 Q4.2 R6.1 U1.5 U2.14 | length 2246.4
  Top Layer w30: U1.5 1374.06,2770 1434.06,2830 v3(1435,2830) 1458.74,2853.74 C8.1 ; U2.14@2075,2830 v3(2075,2913)
  Bottom Layer w30: v3(1435,2830) 1515,2910 2072,2910 v3(2075,2913) 2074.37,2913.63 R6.1@2074.37,3485 ; R6.1 2074.37,3869.37 v5(2090,3885)
  other v4: 2750,2750 1500,3750 1750,3750 2500,3750 1625,4000 2375,4000 2625,4000
VSS_B: C25.1 Q5.3 Q6.3 Q7.2 Q8.2 R20.1 U3.5 U4.14 | length 2287
  Top Layer w30: U3.5 4329.06,2730 4395,2795.94 v3(4395,2800) 4406.37,2811.37 C25.1 ; U4.14@5030,2805 U4.14 v3(5030,2890)
  Bottom Layer w30: v3(4395,2800) 4485,2890 v3(5030,2890) 5030,3454.37 R20.1 5029.69,3465.31 5029.69,3874.68 v5(5035,3880)
  other v1: 4500,3750 4750,3750 5500,3750 4625,4000 5375,4000 5625,4000
VSS_C: C37.1 Q9.3 Q10.3 Q11.2 Q12.2 R34.1 U5.5 U6.14 | length 2291.4
  Top Layer w30: U5.5 7263.19,2747 7316,2799.81 v7(7316,2803) 7318.42,2803 7343.57,2828.16 7743.21,2828.16 C37.1 ; v3(7960,2910) 7963.31,2906.69 U6.14@7963.31,2815.47
  Bottom Layer w30: v7(7316,2803) 7423,2910 v3(7960,2910) 7964.37,2914.37 R34.1 7963.19,3471.19 7963.19,3888.82 v5(7962,3890)
  other v1: 8500,2750 7500,3750 8250,3750 8500,3750 7375,4000 8375,4000
pads on no net: C4.1 C5.1 C6.1 C7.1 C11.1 C12.1 C13.1 C14.1 U1.8 U2.7 U2.12 U2.13 U3.8 U4.7 U4.12 U4.13 U5.8 U6.7 U6.12 U6.13
copper on no net:
  other v6: 9450,100 623,105 9447,5475 625,5477

## Polygon pours and split planes (outlines as drawn)
VSS_B on Top Solder "NONET_L01_P000" (solid): 4783.19,4140 5295,4140 5295,3628.19 4783.19,3628.19
VSS_C on Top Solder "NONET_L01_P000" (solid): 7710.19,4150 8222,4150 8222,3638.19 7710.19,3638.19
no net on Top Solder "NONET_L01_P000" (solid): 8792.09,4878 9303.91,4878 9303.91,4366.19 8792.09,4366.19
VSS_A on Top Solder "NONET_L01_P000" (solid, pour order 0): 1838.19,4145 2350,4145 2350,3633.19 1838.19,3633.19
GND on Top Solder "NONET_L01_P000" (solid): 8792.09,1527 9303.91,1527 9303.91,1015.19 8792.09,1015.19
GND on Top Layer "GND_L01_P063" (solid, pour order 63): 829,4220 829,2676 9560,2676 9531,2705 9531,4344
GND on Top Layer "GND_L01_P044" (solid, pour order 44): 9552,2700 9552,0 8020,0 2740,0 520,0 520,2700
+45V on Top Layer "+45V_L01_P020" (solid, pour order 20): 1312,1663 1312,1538 950,1538 950,1663
GND on Top Layer "GND_L01_P045" (solid, pour order 45): 829,4920 829,2640 520,2640 520,4920
VSS_C on Top Layer "VSS_C_L01_P061" (solid, pour order 61): 7109,4056 7320,4056 7320,3625 7109,3625 7109,3356 7521,3356 7521,3509 8433,3509 8433,2718 8854,2718 8854,2930 8638,2930 8638,3405 8850,3405 8850,3625 8633,3625 8633,4275 7109,4275
VSS_B on Top Layer "VSS_B_L01_P060" (solid, pour order 60): 4182,4265 5696,4265 5696,3622 5909,3622 5909,3409 5690,3409 5690,2932 5899,2932 5899,2714 5558,2714 5558,3499 4591,3499 4591,3343 4182,3343 4182,3614 4397.68,3614 4402.34,4044 4182,4044
VSS_A on Top Layer "VSS_A_L01_P059" (solid, pour order 59): 1237,4270 2750,4270 2750,3624 2964,3624 2964,3405 2745,3405 2745,2936 2960,2936 2960,2715 2602,2715 2602,3532 1594,3532 1594,3354 1237,3354 1237,3620 1446,3620 1446,4045 1237,4045
+48V on Top Layer "+48V_L01_P058" (solid, pour order 58): 6757.2,4045 7309.2,4045 7309.2,3838 7099,3838 7099,3345 7324.2,3345 7324.2,3163 6757.2,3163
+48V on Top Layer "+48V_L01_P057" (solid, pour order 57): 3840,4034 4385,4034 4385,3827 4172,3827 4172,3333 4398,3333 4398,3130 3840,3130
+48V on Top Layer "+48V_L01_P056" (solid, pour order 56): 890,4035 1440,4035 1440,3838 1227,3838 1227,3344 1455,3344 1455,3148 890,3148
+48V on Top Layer "3" (solid, pour order 55): 790,4880 790,2981 1235,2981 1235,3155 902,3155 902,4020 1227,4020 1227,4280 2762,4280 2762,3846 3871,3846 3871,4020 4171,4020 4171,4275 5706,4275 5706,3842 6762,3842 6762,4020 7099,4020 7099,4285 8643,4285 8643,3835 9525,3835 9525,4880
GND on Top Layer "GND_L01_P025" (solid, pour order 25): 521,4883.97 521,5578 9552,5578 9552,4890.02
GND on Bottom Layer "GND_L02_P064" (solid, remove dead copper, pour order 64): 9545,5573 9545,5 9550,0 498,0 498,5559 507,5568
GND on Bottom Layer "GND_L02_P038" (solid, pour order 38): 1454,2883 1454,3533 2749,3533 2749,3407 2963,3407 2964,3408 2965,3407 2965,3197 2752,3197 2750,3199 2748,3197 2749,2883
GND on Bottom Layer "NONET_L02_P062" (solid, remove dead copper, shelved, pour order 62): 482,5675 10428,5675 9849,5096 9849,0 302,0
VSS_A on Bottom Layer "VSS_A_L02_P003" (solid, pour order 3): 1237,4270 2750,4270 2750,3624 2964,3624 2964,3405 2745,3405 2745,2936 2960,2936 2960,2715 2602,2715 2602,3532 1594,3532 1594,3354 1237,3354 1237,3620 1446,3620 1446,4045 1237,4045
VSS_C on Bottom Layer "VSS_C_L02_P012" (solid, pour order 12): 7109,4056 7320,4056 7320,3625 7109,3625 7109,3356 7521,3356 7521,3509 8433,3509 8433,2718 8854,2718 8854,2930 8638,2930 8638,3405 8850,3405 8850,3625 8633,3625 8633,4275 7109,4275
VSS_B on Bottom Layer "VSS_B_L02_P008" (solid, pour order 8): 4182,4265 5696,4265 5696,3622 5909,3622 5909,3409 5690,3409 5690,2932 5899,2932 5899,2714 5558,2714 5558,3499 4591,3499 4591,3343 4182,3343 4182,3614 4397.68,3614 4402.34,4044 4182,4044
+48V on Bottom Layer "+48V_L02_P013" (solid, pour order 13): 890,4035 1440,4035 1440,3838 1227,3838 1227,3344 1436,3344 1436,3148 890,3148
+48V on Bottom Layer "+48V_L02_P015" (solid, pour order 15): 6757.2,4045 7309.2,4045 7309.2,3838 7099,3838 7099,3345 7324.2,3345 7324.2,3163 6757.2,3163
+48V on Bottom Layer "+48V_L02_P014" (solid, pour order 14): 3840,4034 4385,4034 4385,3827 4172,3827 4172,3333 4398,3333 4398,3130 3840,3130
+48V on Bottom Layer "3" (solid, pour order 16): 790,4880 790,2981 1235,2981 1235,3155 902,3155 902,4020 1227,4020 1227,4280 2762,4280 2762,3846 3871,3846 3871,4020 4171,4020 4171,4275 5706,4275 5706,3842 6762,3842 6762,4020 7099,4020 7099,4285 8643,4285 8643,3835 9536,3835 9536,4880
GND on Bottom Layer "GND_L02_P047" (solid, pour order 47): 5314,1602.09 5314,778 7345,778 7345,1602.09
GND on Bottom Layer "GND_L02_P037" (solid, pour order 37): 7326,2859.35 7326,3522 8629,3522 8629,3396 8843,3396 8844,3397 8845,3396 8845,3186 8639,3186 8639,2876.61
GND on Bottom Layer "GND_L02_P036" (solid, pour order 36): 4395,2882 4395,3532 5690,3532 5690,3406 5904,3406 5905,3407 5906,3406 5906,3196 5693,3196 5691,3198 5689,3196 5689,2899.01
GND on Bottom Layer "GND_L02_P024" (solid, pour order 24): 6455.52,2718 8600,2718 8600,1639 6455.52,1639
GND on Bottom Layer "GND_L02_P019" (solid, pour order 19): 8631,3406 9552,3406 9552,1639 8639,1639 8639,2718 8854,2718 8854,3184 8631,3184
GND on Bottom Layer "GND_L02_P018" (solid, pour order 18): 5690,3409 6740,3409 6740,1639 3833,1639 3833,2714 5901,2714 5901,3192 5690,3192
GND on Bottom Layer "GND_L02_P017" (solid, pour order 17): 2747,3405 3793,3405 3793,1630 2743,1630 2743,2715 2960,2715 2960,3194 2747,3194

## Other copper
Top Layer:
  pour cut-out: 5144,721 5185,680 5334,680 5334,769 5184,769 5144,729
  text "+3.3V" at 10861,252 h30 r90
Multi-Layer:
  the board outline again, w10

## Silkscreen, mask and mechanical layers (free items; w line width, h text height)
Top Overlay:
  text "POS (+)" at 8865.98,4296 h60
  text "PHASE C" at 7771,4161 h60
  text "PHASE A" at 1891,4154 h60
  text "PHASE B" at 4845,4151 h60
  text "GND (-)" at 8806,948 h60
  text "+5V" at 9000.67,87 h30 r90
  text "+15V" at 9120.33,87 h30 r90
  text "+48V" at 9240,87 h30 r90
  text "FW/RV" at 3181,20 h60
  text "GND" at 3500,20 h60
  text "ENABLE" at 3736,20 h60
  text "GND" at 4123,20 h60
  text "VCC" at 4420,20 h60
  text "H_A" at 4626,20 h60
  text "H_B" at 4844,20 h60
  text "H_C" at 5065,20 h60
  text "GND" at 5270,20 h60
  text "POT-" at 5548,20 h60
  text "POT" at 5790,20 h60
  text "POT+" at 5976,20 h60
  text "+12V" at 6279,20 h60
  text "GND" at 6559,20 h60
  text "FAN+" at 6787,20 h60
  text "GND" at 7062,20 h60

## Text inside footprints (layer, text, board x,y; h text height)
C46: Top Overlay "+" at 1478,1538.63 h39.37 r90
C47: Top Overlay "+" at 1475,1788 h39.37 r90